# Allegro board 8880F5-0826_3.brd (continued)
## Nets (continued)
S2_DPS_F_010: SITE2.111(PLL_TX_VDD33) UNK2CA15.1 UNK2CA16.1 UNK2CC22.1 UNK2CC23.1 UNK2CD14.1 UNK2K40.9 UNK2SH16.1 UNK2TP_PLL_TX_VDD33.1
S2_DPS_F_011: SITE2.119(VDDTXPST_11_T-1) SITE2.139(VDDTXPST_11_T-2) UNK2CA35.1 UNK2CA36.1 UNK2CC17.1 UNK2CC29.1 UNK2CC37.1 UNK2CC38.1 UNK2CD12.1 UNK2CD24.1 UNK2K39.9 UNK2SH25.1 UNK2TP_VDDTXPST_11_T.1
S2_DPS_F_012: SITE2.144(VDD_TXREG_33_T) UNK2CA38.1 UNK2CA39.1 UNK2CC39.1 UNK2CC41.1 UNK2CD25.1 UNK2K42.9 UNK2SH27.1 UNK2TP_VDD_TXREG_33_T.1
S2_DPS_F_013: UNK2C8.1 UNK2C9.1 UNK2CA30.1 UNK2CA31.1 UNK2R82.2 UNK2R83.1 UNK2R84.1 UNK2R87.2 UNK2R88.2 UNK2R89.2 UNK2R90.2 UNK2R91.2 UNK2R92.2 UNK2R94.2 UNK2R95.2 UNK2R96.2 UNK2R97.2 UNK2R98.2 UNK2R99.2 UNK2R119.1 UNK2R120.1 UNK2SH22.1 UNK2TP_VCC3V3.1 UNK2U1.8 UNK2U2.8
S2_DPS_FS_001: UNK2SH20.2
S2_DPS_FS_002: UNK2SH1.2
S2_DPS_FS_003: UNK2SH3.2
S2_DPS_FS_004: UNK2SH7.2
S2_DPS_FS_005: UNK2SH10.2
S2_DPS_FS_006: UNK2SH18.2
S2_DPS_FS_007: UNK2SH12.2
S2_DPS_FS_008: UNK2SH23.2
S2_DPS_FS_009: UNK2SH14.2
S2_DPS_FS_010: UNK2SH16.2
S2_DPS_FS_011: UNK2SH25.2
S2_DPS_FS_012: UNK2SH27.2
S2_DPS_FS_013: UNK2SH22.2
S2_DPS_GS_001: UNK2SH19.2
S2_DPS_GS_002: UNK2SH2.2
S2_DPS_GS_003: UNK2SH4.2
S2_DPS_GS_004: UNK2SH8.2
S2_DPS_GS_005: UNK2SH9.2
S2_DPS_GS_006: UNK2SH17.2
S2_DPS_GS_007: UNK2SH11.2
S2_DPS_GS_008: UNK2SH24.2
S2_DPS_GS_009: UNK2SH13.2
S2_DPS_GS_010: UNK2SH15.2
S2_DPS_GS_011: UNK2SH26.2
S2_DPS_GS_012: UNK2SH28.2
S2_DPS_GS_013: UNK2SH21.2
S2_ISP00+: SITE2.73(AML0P) UNK2K43.7
S2_ISP00-: SITE2.74(AML0N) UNK2K43.2
S2_ISP14+: SITE2.112(CML0P) UNK2K43.5
S2_ISP14-: SITE2.113(CML0N) UNK2K43.4
S2_ISP_1LOCK: UNK2K33.3 UNK2R118.2
S2_M_DPS_F_001: SITE2.22(VDDC_11-1) SITE2.39(VDDC_11-2) SITE2.64(VDDC_11-3) SITE2.104(VDDC_11-4) SITE2.147(VDDC_11-5) UNK2CA5.1 UNK2CA6.1 UNK2CC6.1 UNK2CC7.1 UNK2CC8.1 UNK2CC9.1 UNK2CC36.1 UNK2CD4.1 UNK2CD5.1 UNK2CD6.1 UNK2CD7.1 UNK2CD23.1 UNK2K36.4 UNK2K36.9 UNK2SH5.1 UNK2TP_VDDC_11.1
S2_M_DPS_FS_001: UNK2SH5.2
S2_M_DPS_GS_001: UNK2SH6.2
S2_PS9G_DCH001: SITE2.18(TEST)
S2_PS9G_DCH002: S2_RST_N.1 SITE2.19(RESET_N) UNK2K10.3
S2_PS9G_DCH003: SITE2.24(HPD)
S2_PS9G_DCH004: SITE2.40(AGEN)
S2_PS9G_DCH005: SITE2.45(STV_IN)
S2_PS9G_DCH006: SITE2.46(EIO1)
S2_PS9G_DCH007: SITE2.47(EIO2)
S2_PS9G_DCH009: SITE2.49(PWMI)
S2_PS9G_DCH010: S2_I2C.1 SITE2.50(I2C_SCL) UNK2J4.2 UNK2K28.3
S2_PS9G_DCH011: S2_I2C.2 SITE2.51(I2C_SDA) UNK2J5.2 UNK2K28.6
S2_PS9G_DCH014: SITE2.54(LED_SPI_SIN_A)
S2_PS9G_DCH015: SITE2.55(LED_SPI_SCLK_A)
S2_PS9G_DCH022: SITE2.65(LED_SPI_SO_A)
S2_PS9G_DCH023: SITE2.66(LED_SPI_SO_B)
S2_PS9G_DCH027: SITE2.70(OSD_SPI_SDO)
S2_PS9G_DCH028: SITE2.77(NC_VDDTX_11_B)
S2_PS9G_DCH029: SITE2.118(NC_VDDTX_11_T)
S2_PS9G_DCH030: SITE2.148(ISP_LOCK) UNK2R118.1
S2_PS9G_DCH035: SITE2.153(CLK6)
S2_PS9G_DCH036: SITE2.154(CLK5)
S2_PS9G_DCH037: SITE2.155(CLK4)
S2_PS9G_DCH038: SITE2.156(CLK3)
S2_PS9G_DCH039: SITE2.157(CLK2)
S2_PS9G_DCH040: SITE2.158(CLK1)
S2_RLY_001: UNK2K1.8 UNK2K2.8
S2_RLY_003: UNK2K3.8 UNK2K4.8
S2_RLY_005: UNK2K5.8 UNK2K6.8
S2_RLY_007: UNK2K7.8
S2_RLY_008: UNK2K8.8 UNK2K11.8
S2_RLY_009: UNK2K9.8
S2_RLY_010: UNK2K10.8
S2_RLY_012: UNK2K12.8
S2_RLY_013: UNK2K13.8
S2_RLY_014: UNK2K14.8
S2_RLY_015: UNK2K15.8
S2_RLY_016: UNK2K16.8 UNK2K17.8
S2_RLY_018: UNK2K18.8
S2_RLY_019: UNK2K19.8
S2_RLY_020: UNK2K20.8
S2_RLY_021: UNK2K21.8 UNK2K29.8
S2_RLY_022: UNK2K22.8 UNK2K24.8
S2_RLY_023: UNK2K23.8
S2_RLY_025: UNK2K25.8 UNK2K27.8
S2_RLY_026: UNK2K26.8
S2_RLY_028: UNK2K28.8
S2_RLY_030: UNK2K30.8
S2_RLY_031: UNK2K31.12
S2_RLY_033: UNK2K33.8
S2_RLY_034: UNK2K34.12
S2_RLY_036: UNK2K36.12
S2_RLY_037: UNK2K37.12
S2_RLY_039: UNK2K39.12
S2_RLY_040: UNK2K40.12
S2_RLY_042: UNK2K42.12
S2_RLY_043: UNK2K43.8
S2_SCAN_DCH008: SITE2.48(FAIL_FLAG_O)
S2_SCAN_DCH012: SITE2.52(LED_SPI_BLANK_A)
S2_SCAN_DCH013: SITE2.53(LED_SPI_GSCLK_A)
S2_SCAN_DCH016: SITE2.56(LED_SPI_XLAT_A)
S2_SCAN_DCH017: SITE2.57(LED_SPI_BLANK_B)
S2_SCAN_DCH018: SITE2.58(LED_SPI_GSCLK_B)
S2_SCAN_DCH019: SITE2.59(LED_SPI_SIN_B)
S2_SCAN_DCH020: SITE2.60(LED_SPI_SCLK_B)
S2_SCAN_DCH021: SITE2.61(LED_SPI_XLAT_B)
S2_SCAN_DCH024: SITE2.67(OSD_SPI_SCK_I2CCLK) UNK2K13.3
S2_SCAN_DCH025: SITE2.68(OSD_SPI_SDI_I2CDAT) UNK2K13.6
S2_SCAN_DCH026: SITE2.69(OSD_SPI_CSN)
S2_SCAN_DCH031: SITE2.149(OE2)
S2_SCAN_DCH032: SITE2.150(OE1)
S2_SCAN_DCH033: SITE2.151(CLK8)
S2_SCAN_DCH034: SITE2.152(CLK7)
S2_SCAN_DCH050: UNK2K15.2
S2_SCAN_DCH051: UNK2K15.7
S2_SCAN_DCH052: UNK2K14.2
S2_SCAN_DCH053: UNK2K14.7
S2_SPI_1_CSN: UNK2K19.7 UNK2R87.1 UNK2U1.1
S2_SPI_1_SCK: UNK2K19.2 UNK2R91.1 UNK2U1.6
S2_SPI_1_SDI: UNK2K20.7 UNK2R127.1
S2_SPI_1_SDO: UNK2K20.2 UNK2R125.1
S2_SPI_2_CSN: UNK2K19.5 UNK2R94.1 UNK2U2.1
S2_SPI_2_SCK: UNK2K19.4 UNK2R98.1 UNK2U2.6
S2_SPI_2_SDI: UNK2K20.5 UNK2R128.1
S2_SPI_2_SDO: UNK2K20.4 UNK2R126.1
S2_SPI_11_SDI: UNK2R88.1 UNK2R127.2 UNK2U1.2
S2_SPI_11_SDO: UNK2R92.1 UNK2R125.2 UNK2U1.5
S2_SPI_22_SDI: UNK2R95.1 UNK2R128.2 UNK2U2.2
S2_SPI_22_SDO: UNK2R99.1 UNK2R126.2 UNK2U2.5
S2_SPI_CSN: SITE2.43(SPI_CSN) UNK2K15.6
S2_SPI_SCK: SITE2.42(SPI_SCK) UNK2K15.3
S2_SPI_SDI: SITE2.44(SPI_SDI) UNK2K14.6
S2_SPI_SDO: SITE2.41(SPI_SDO) UNK2K14.3
S2_XTAL_IN: SITE2.109(XTAL_IN) UNK2K18.3 UNK2TP_XTAL_IN.1
S2_XTAL_OUT: SITE2.110(XTAL_OUT) UNK2K18.6 UNK2TP_XTAL_OUT.1
S3_1AUX+: UNK3K9.4 UNK3R129.1
S3_1AUX-: UNK3K9.5 UNK3R130.1
S3_1SPI_CSN: UNK3K15.5 UNK3K19.6
S3_1SPI_SCK: UNK3K15.4 UNK3K19.3
S3_1SPI_SDI: UNK3K14.5 UNK3K20.6
S3_1SPI_SDO: UNK3K14.4 UNK3K20.3
S3_1TX_100DCH001+: UNK3K43.6 UNK3R7.1
S3_1TX_100DCH001-: UNK3K43.3 UNK3R8.2
S3_1TX_100DCH002+: SITE3.75(AML1P) UNK3R9.1
S3_1TX_100DCH002-: SITE3.76(AML1N) UNK3R10.2
S3_1TX_100DCH003+: SITE3.79(AML2P) UNK3R11.1
S3_1TX_100DCH003-: SITE3.80(AML2N) UNK3R12.2
S3_1TX_100DCH004+: SITE3.81(AMLCKP) UNK3R13.1
S3_1TX_100DCH004-: SITE3.82(AMLCKN) UNK3R14.2
S3_1TX_100DCH005+: SITE3.83(AML3P) UNK3R15.1
S3_1TX_100DCH005-: SITE3.84(AML3N) UNK3R16.2
S3_1TX_100DCH006+: SITE3.85(AML4P) UNK3R17.1
S3_1TX_100DCH006-: SITE3.86(AML4N) UNK3R18.2
S3_1TX_100DCH007+: SITE3.87(AML5P) UNK3R19.1
S3_1TX_100DCH007-: SITE3.88(AML5N) UNK3R20.2
S3_2AUX+: UNK3C3.1 UNK3R1.2 UNK3R3.1 UNK3R129.2
S3_2AUX-: UNK3C4.1 UNK3R2.2 UNK3R4.2 UNK3R130.2
S3_2TX_100DCH001+: SITE3.89(BML0P) UNK3R21.1
S3_2TX_100DCH001-: SITE3.90(BML0N) UNK3R22.2
S3_2TX_100DCH002+: SITE3.91(BML1P) UNK3R23.1
S3_2TX_100DCH002-: SITE3.92(BML1N) UNK3R24.2
S3_2TX_100DCH003+: SITE3.93(BML2P) UNK3R25.1
S3_2TX_100DCH003-: SITE3.94(BML2N) UNK3R26.2
S3_2TX_100DCH004+: SITE3.95(BMLCKP) UNK3R27.1
S3_2TX_100DCH004-: SITE3.96(BMLCKN) UNK3R28.2
S3_2TX_100DCH005+: SITE3.98(BML3P) UNK3R29.1
S3_2TX_100DCH005-: SITE3.99(BML3N) UNK3R30.2
S3_2TX_100DCH006+: SITE3.100(BML4P) UNK3R31.1
S3_2TX_100DCH006-: SITE3.101(BML4N) UNK3R32.2
S3_2TX_100DCH007+: SITE3.102(BML5P) UNK3R33.1
S3_2TX_100DCH007-: SITE3.103(BML5N) UNK3R34.2
S3_3TX_100DCH002+: SITE3.114(CML1P) UNK3R37.1
S3_3TX_100DCH002-: SITE3.115(CML1N) UNK3R38.2
S3_3TX_100DCH003+: SITE3.116(CML2P) UNK3R39.1
S3_3TX_100DCH003-: SITE3.117(CML2N) UNK3R40.2
S3_3TX_100DCH004+: SITE3.120(CMLCKP) UNK3R41.1
S3_3TX_100DCH004-: SITE3.121(CMLCKN) UNK3R42.2
S3_3TX_100DCH005+: SITE3.122(CML3P) UNK3R67.1
S3_3TX_100DCH005-: SITE3.123(CML3N) UNK3R68.2
S3_3TX_100DCH006+: SITE3.124(CML4P) UNK3R69.1
S3_3TX_100DCH006-: SITE3.125(CML4N) UNK3R70.2
S3_3TX_100DCH007+: SITE3.126(CML5P) UNK3R71.1
S3_3TX_100DCH007-: SITE3.127(CML5N) UNK3R72.2
S3_4TX_100DCH001+: SITE3.129(DML0P) UNK3R73.1
S3_4TX_100DCH001-: SITE3.130(DML0N) UNK3R74.2
S3_4TX_100DCH002+: SITE3.131(DML1P) UNK3R75.1
S3_4TX_100DCH002-: SITE3.132(DML1N) UNK3R76.2
S3_4TX_100DCH003+: SITE3.133(DML2P) UNK3R77.1
S3_4TX_100DCH003-: SITE3.134(DML2N) UNK3R78.2
S3_4TX_100DCH004+: SITE3.135(DMLCKP) UNK3R79.1
S3_4TX_100DCH004-: SITE3.136(DMLCKN) UNK3R80.2
S3_4TX_100DCH005+: SITE3.137(DML3P) UNK3R43.1
S3_4TX_100DCH005-: SITE3.138(DML3N) UNK3R44.2
S3_4TX_100DCH006+: SITE3.140(DML4P) UNK3R63.1
S3_4TX_100DCH006-: SITE3.141(DML4N) UNK3R64.2
S3_4TX_100DCH007+: SITE3.142(DML5P) UNK3R100.1
S3_4TX_100DCH007-: SITE3.143(DML5N) UNK3R101.2
S3_AUX_100DCH001+: UNK3K9.2
S3_AUX_100DCH001-: UNK3K9.7
S3_AUX_100DCH002+: UNK3C3.2
S3_AUX_100DCH002-: UNK3C4.2
S3_AUXCH+: SITE3.21(AUXCHP) UNK3K9.3 UNK3K12.3
S3_AUXCH-: SITE3.20(AUXCHN) UNK3K9.6 UNK3K12.6
S3_AVDD11_RX: SITE3.31(AVDD11_RX) UNK3CA9.1 UNK3CA10.1 UNK3CC13.1 UNK3CD9.1 UNK3K37.9 UNK3SH10.1 UNK3TP_AVDD11_RX.1
S3_AVDD11_XTAL: SITE3.105(AVDD11_XTAL) UNK3CA32.1 UNK3CA33.1 UNK3CC26.1 UNK3CD16.1 UNK3K31.4 UNK3SH23.1 UNK3TP_AVDD11_XTAL.1
S3_AVDD18_RX: SITE3.25(AVDD18_RX) UNK3CA7.1 UNK3CA8.1 UNK3CC11.1 UNK3CD8.1 UNK3K37.4 UNK3SH7.1 UNK3TP_AVDD18_RX.1
S3_DCH041: SITE3.159(STV2)
S3_DCH042: SITE3.160(STV1)
S3_DCH043: SITE3.161(POL)
S3_DCH044: SITE3.163(TP1)
S3_DCH045: SITE3.164(DC_EN)
S3_DCH046: SITE3.165(H2POL)
S3_DCH047: SITE3.166(SQINV)
S3_DCH048: UNK3K18.7
S3_DCH049: UNK3K18.2
S3_DPS_F_001: UNK3CA19.1 UNK3CA20.1 UNK3R1.1 UNK3R4.1 UNK3SH20.1 UNK3TP_AUXVCC.1
S3_DPS_F_002: SITE3.3(VDDA_33_LV) UNK3CA1.1 UNK3CA2.1 UNK3CC1.1 UNK3CC2.1 UNK3CD1.1 UNK3K34.4 UNK3SH1.1 UNK3TP_VDDA_33_LV.1
S3_DPS_F_003: SITE3.17(VDD_IO_33-1) SITE3.37(VDD_IO_33-2) SITE3.63(VDD_IO_33-3) SITE3.71(VDD_IO_33-4) SITE3.107(VDD_IO_33-5) SITE3.145(VDD_IO_33-6) SITE3.162(VDD_IO_33-7) UNK3CA3.1 UNK3CA4.1 UNK3CC4.1 UNK3CC30.1 UNK3CC31.1 UNK3CC32.1 UNK3CC33.1 UNK3CC34.1 UNK3CC35.1 UNK3CC42.1 UNK3CD3.1 UNK3CD17.1 UNK3CD18.1 UNK3CD19.1 UNK3CD20.1 UNK3CD21.1 UNK3CD22.1 UNK3K34.9 UNK3R85.1 UNK3SH3.1 UNK3TP_VDD_IO_33.1
S3_DPS_F_006: SITE3.72(VDD_TXREG_33_B) UNK3CA17.1 UNK3CA18.1 UNK3CC25.1 UNK3CC40.1 UNK3CD15.1 UNK3K42.4 UNK3SH18.1 UNK3TP_VDD_TXREG_33_B.1
S3_DPS_F_007: SITE3.78(VDDTXPST_11_B-1) SITE3.97(VDDTXPST_11_B-2) UNK3CA11.1 UNK3CA12.1 UNK3CC15.1 UNK3CC16.1 UNK3CC27.1 UNK3CC28.1 UNK3CD10.1 UNK3CD11.1 UNK3K39.4 UNK3SH12.1 UNK3TP_VDDTXPST_11_B.1
S3_DPS_F_009: SITE3.106(PLL_M_VDD33) UNK3CA13.1 UNK3CA14.1 UNK3CC19.1 UNK3CC20.1 UNK3CD13.1 UNK3K40.4 UNK3SH14.1 UNK3TP_PLL_M_VDD33.1
S3_DPS_F_010: SITE3.111(PLL_TX_VDD33) UNK3CA15.1 UNK3CA16.1 UNK3CC22.1 UNK3CC23.1 UNK3CD14.1 UNK3K40.9 UNK3SH16.1 UNK3TP_PLL_TX_VDD33.1
S3_DPS_F_011: SITE3.119(VDDTXPST_11_T-1) SITE3.139(VDDTXPST_11_T-2) UNK3CA35.1 UNK3CA36.1 UNK3CC17.1 UNK3CC29.1 UNK3CC37.1 UNK3CC38.1 UNK3CD12.1 UNK3CD24.1 UNK3K39.9 UNK3SH25.1 UNK3TP_VDDTXPST_11_T.1
S3_DPS_F_012: SITE3.144(VDD_TXREG_33_T) UNK3CA38.1 UNK3CA39.1 UNK3CC39.1 UNK3CC41.1 UNK3CD25.1 UNK3K42.9 UNK3SH27.1 UNK3TP_VDD_TXREG_33_T.1
S3_DPS_F_013: UNK3C8.1 UNK3C9.1 UNK3CA30.1 UNK3CA31.1 UNK3R82.2 UNK3R83.1 UNK3R84.1 UNK3R87.2 UNK3R88.2 UNK3R89.2 UNK3R90.2 UNK3R91.2 UNK3R92.2 UNK3R94.2 UNK3R95.2 UNK3R96.2 UNK3R97.2 UNK3R98.2 UNK3R99.2 UNK3R119.1 UNK3R120.1 UNK3SH22.1 UNK3TP_VCC3V3.1 UNK3U1.8 UNK3U2.8
S3_DPS_FS_001: UNK3SH20.2
S3_DPS_FS_002: UNK3SH1.2
S3_DPS_FS_003: UNK3SH3.2
S3_DPS_FS_004: UNK3SH7.2
S3_DPS_FS_005: UNK3SH10.2
S3_DPS_FS_006: UNK3SH18.2
S3_DPS_FS_007: UNK3SH12.2
S3_DPS_FS_008: UNK3SH23.2
S3_DPS_FS_009: UNK3SH14.2
S3_DPS_FS_010: UNK3SH16.2
S3_DPS_FS_011: UNK3SH25.2
S3_DPS_FS_012: UNK3SH27.2
S3_DPS_FS_013: UNK3SH22.2
S3_DPS_GS_001: UNK3SH19.2
S3_DPS_GS_002: UNK3SH2.2
S3_DPS_GS_003: UNK3SH4.2
S3_DPS_GS_004: UNK3SH8.2
S3_DPS_GS_005: UNK3SH9.2
S3_DPS_GS_006: UNK3SH17.2
S3_DPS_GS_007: UNK3SH11.2
S3_DPS_GS_008: UNK3SH24.2
S3_DPS_GS_009: UNK3SH13.2
S3_DPS_GS_010: UNK3SH15.2
S3_DPS_GS_011: UNK3SH26.2
S3_DPS_GS_012: UNK3SH28.2
S3_DPS_GS_013: UNK3SH21.2
S3_ISP00+: SITE3.73(AML0P) UNK3K43.7
S3_ISP00-: SITE3.74(AML0N) UNK3K43.2
S3_ISP14+: SITE3.112(CML0P) UNK3K43.5
S3_ISP14-: SITE3.113(CML0N) UNK3K43.4
S3_ISP_1LOCK: UNK3K33.3 UNK3R118.2
S3_M_DPS_F_001: SITE3.22(VDDC_11-1) SITE3.39(VDDC_11-2) SITE3.64(VDDC_11-3) SITE3.104(VDDC_11-4) SITE3.147(VDDC_11-5) UNK3CA5.1 UNK3CA6.1 UNK3CC6.1 UNK3CC7.1 UNK3CC8.1 UNK3CC9.1 UNK3CC36.1 UNK3CD4.1 UNK3CD5.1 UNK3CD6.1 UNK3CD7.1 UNK3CD23.1 UNK3K36.4 UNK3K36.9 UNK3SH5.1 UNK3TP_VDDC_11.1
S3_M_DPS_FS_001: UNK3SH5.2
S3_M_DPS_GS_001: UNK3SH6.2
S3_PS9G_DCH001: SITE3.18(TEST)
S3_PS9G_DCH002: S3_RST_N.1 SITE3.19(RESET_N) UNK3K10.3
S3_PS9G_DCH003: SITE3.24(HPD)
S3_PS9G_DCH004: SITE3.40(AGEN)
S3_PS9G_DCH005: SITE3.45(STV_IN)
S3_PS9G_DCH006: SITE3.46(EIO1)
S3_PS9G_DCH007: SITE3.47(EIO2)
S3_PS9G_DCH009: SITE3.49(PWMI)
S3_PS9G_DCH010: S3_I2C.1 SITE3.50(I2C_SCL) UNK3J4.2 UNK3K28.3
S3_PS9G_DCH011: S3_I2C.2 SITE3.51(I2C_SDA) UNK3J5.2 UNK3K28.6
S3_PS9G_DCH014: SITE3.54(LED_SPI_SIN_A)
S3_PS9G_DCH015: SITE3.55(LED_SPI_SCLK_A)
S3_PS9G_DCH022: SITE3.65(LED_SPI_SO_A)
S3_PS9G_DCH023: SITE3.66(LED_SPI_SO_B)
S3_PS9G_DCH027: SITE3.70(OSD_SPI_SDO)
S3_PS9G_DCH028: SITE3.77(NC_VDDTX_11_B)
S3_PS9G_DCH029: SITE3.118(NC_VDDTX_11_T)
S3_PS9G_DCH030: SITE3.148(ISP_LOCK) UNK3R118.1
S3_PS9G_DCH035: SITE3.153(CLK6)
S3_PS9G_DCH036: SITE3.154(CLK5)
S3_PS9G_DCH037: SITE3.155(CLK4)
S3_PS9G_DCH038: SITE3.156(CLK3)
S3_PS9G_DCH039: SITE3.157(CLK2)
S3_PS9G_DCH040: SITE3.158(CLK1)
S3_RLY_001: UNK3K1.8 UNK3K2.8
S3_RLY_003: UNK3K3.8 UNK3K4.8
S3_RLY_005: UNK3K5.8 UNK3K6.8
S3_RLY_007: UNK3K7.8
S3_RLY_008: UNK3K8.8 UNK3K11.8
S3_RLY_009: UNK3K9.8
S3_RLY_010: UNK3K10.8
S3_RLY_012: UNK3K12.8
S3_RLY_013: UNK3K13.8
S3_RLY_014: UNK3K14.8
S3_RLY_015: UNK3K15.8
S3_RLY_016: UNK3K16.8 UNK3K17.8
S3_RLY_018: UNK3K18.8
S3_RLY_019: UNK3K19.8
S3_RLY_020: UNK3K20.8
S3_RLY_021: UNK3K21.8 UNK3K29.8
S3_RLY_022: UNK3K22.8 UNK3K24.8
S3_RLY_023: UNK3K23.8
S3_RLY_025: UNK3K25.8 UNK3K27.8
S3_RLY_026: UNK3K26.8
S3_RLY_028: UNK3K28.8
S3_RLY_030: UNK3K30.8
S3_RLY_031: UNK3K31.12
S3_RLY_033: UNK3K33.8
S3_RLY_034: UNK3K34.12
S3_RLY_036: UNK3K36.12
S3_RLY_037: UNK3K37.12
S3_RLY_039: UNK3K39.12
S3_RLY_040: UNK3K40.12
S3_RLY_042: UNK3K42.12
S3_RLY_043: UNK3K43.8
S3_SCAN_DCH008: SITE3.48(FAIL_FLAG_O)
S3_SCAN_DCH012: SITE3.52(LED_SPI_BLANK_A)
S3_SCAN_DCH013: SITE3.53(LED_SPI_GSCLK_A)
S3_SCAN_DCH016: SITE3.56(LED_SPI_XLAT_A)
S3_SCAN_DCH017: SITE3.57(LED_SPI_BLANK_B)
S3_SCAN_DCH018: SITE3.58(LED_SPI_GSCLK_B)
S3_SCAN_DCH019: SITE3.59(LED_SPI_SIN_B)
S3_SCAN_DCH020: SITE3.60(LED_SPI_SCLK_B)
S3_SCAN_DCH021: SITE3.61(LED_SPI_XLAT_B)
S3_SCAN_DCH024: SITE3.67(OSD_SPI_SCK_I2CCLK) UNK3K13.3
S3_SCAN_DCH025: SITE3.68(OSD_SPI_SDI_I2CDAT) UNK3K13.6
S3_SCAN_DCH026: SITE3.69(OSD_SPI_CSN)
S3_SCAN_DCH031: SITE3.149(OE2)
S3_SCAN_DCH032: SITE3.150(OE1)
S3_SCAN_DCH033: SITE3.151(CLK8)
S3_SCAN_DCH034: SITE3.152(CLK7)
S3_SCAN_DCH050: UNK3K15.2
S3_SCAN_DCH051: UNK3K15.7
S3_SCAN_DCH052: UNK3K14.2
S3_SCAN_DCH053: UNK3K14.7
S3_SPI_1_CSN: UNK3K19.7 UNK3R87.1 UNK3U1.1
S3_SPI_1_SCK: UNK3K19.2 UNK3R91.1 UNK3U1.6
S3_SPI_1_SDI: UNK3K20.7 UNK3R127.1
S3_SPI_1_SDO: UNK3K20.2 UNK3R125.1
S3_SPI_2_CSN: UNK3K19.5 UNK3R94.1 UNK3U2.1
S3_SPI_2_SCK: UNK3K19.4 UNK3R98.1 UNK3U2.6
S3_SPI_2_SDI: UNK3K20.5 UNK3R128.1
S3_SPI_2_SDO: UNK3K20.4 UNK3R126.1
S3_SPI_11_SDI: UNK3R88.1 UNK3R127.2 UNK3U1.2
S3_SPI_11_SDO: UNK3R92.1 UNK3R125.2 UNK3U1.5
S3_SPI_22_SDI: UNK3R95.1 UNK3R128.2 UNK3U2.2
S3_SPI_22_SDO: UNK3R99.1 UNK3R126.2 UNK3U2.5
S3_SPI_CSN: SITE3.43(SPI_CSN) UNK3K15.6
S3_SPI_SCK: SITE3.42(SPI_SCK) UNK3K15.3
S3_SPI_SDI: SITE3.44(SPI_SDI) UNK3K14.6
S3_SPI_SDO: SITE3.41(SPI_SDO) UNK3K14.3
S3_XTAL_IN: SITE3.109(XTAL_IN) UNK3K18.3 UNK3TP_XTAL_IN.1
S3_XTAL_OUT: SITE3.110(XTAL_OUT) UNK3K18.6 UNK3TP_XTAL_OUT.1
S4_1AUX+: UNK4K9.4 UNK4R129.1
S4_1AUX-: UNK4K9.5 UNK4R130.1
S4_1SPI_CSN: UNK4K15.5 UNK4K19.6
S4_1SPI_SCK: UNK4K15.4 UNK4K19.3
S4_1SPI_SDI: UNK4K14.5 UNK4K20.6
S4_1SPI_SDO: UNK4K14.4 UNK4K20.3
S4_1TX_100DCH001+: UNK4K43.6 UNK4R7.1
S4_1TX_100DCH001-: UNK4K43.3 UNK4R8.2
S4_1TX_100DCH002+: SITE4.75(AML1P) UNK4R9.1
S4_1TX_100DCH002-: SITE4.76(AML1N) UNK4R10.2
S4_1TX_100DCH003+: SITE4.79(AML2P) UNK4R11.1
S4_1TX_100DCH003-: SITE4.80(AML2N) UNK4R12.2
S4_1TX_100DCH004+: SITE4.81(AMLCKP) UNK4R13.1
S4_1TX_100DCH004-: SITE4.82(AMLCKN) UNK4R14.2
S4_1TX_100DCH005+: SITE4.83(AML3P) UNK4R15.1
S4_1TX_100DCH005-: SITE4.84(AML3N) UNK4R16.2
S4_1TX_100DCH006+: SITE4.85(AML4P) UNK4R17.1
S4_1TX_100DCH006-: SITE4.86(AML4N) UNK4R18.2
S4_1TX_100DCH007+: SITE4.87(AML5P) UNK4R19.1
S4_1TX_100DCH007-: SITE4.88(AML5N) UNK4R20.2
S4_2AUX+: UNK4C3.1 UNK4R1.2 UNK4R3.1 UNK4R129.2
S4_2AUX-: UNK4C4.1 UNK4R2.2 UNK4R4.2 UNK4R130.2
S4_2TX_100DCH001+: SITE4.89(BML0P) UNK4R21.1
S4_2TX_100DCH001-: SITE4.90(BML0N) UNK4R22.2
S4_2TX_100DCH002+: SITE4.91(BML1P) UNK4R23.1
S4_2TX_100DCH002-: SITE4.92(BML1N) UNK4R24.2
S4_2TX_100DCH003+: SITE4.93(BML2P) UNK4R25.1
S4_2TX_100DCH003-: SITE4.94(BML2N) UNK4R26.2
S4_2TX_100DCH004+: SITE4.95(BMLCKP) UNK4R27.1
S4_2TX_100DCH004-: SITE4.96(BMLCKN) UNK4R28.2
S4_2TX_100DCH005+: SITE4.98(BML3P) UNK4R29.1
S4_2TX_100DCH005-: SITE4.99(BML3N) UNK4R30.2
S4_2TX_100DCH006+: SITE4.100(BML4P) UNK4R31.1
S4_2TX_100DCH006-: SITE4.101(BML4N) UNK4R32.2
S4_2TX_100DCH007+: SITE4.102(BML5P) UNK4R33.1
S4_2TX_100DCH007-: SITE4.103(BML5N) UNK4R34.2
S4_3TX_100DCH002+: SITE4.114(CML1P) UNK4R37.1
S4_3TX_100DCH002-: SITE4.115(CML1N) UNK4R38.2
S4_3TX_100DCH003+: SITE4.116(CML2P) UNK4R39.1
S4_3TX_100DCH003-: SITE4.117(CML2N) UNK4R40.2
S4_3TX_100DCH004+: SITE4.120(CMLCKP) UNK4R41.1
S4_3TX_100DCH004-: SITE4.121(CMLCKN) UNK4R42.2
S4_3TX_100DCH005+: SITE4.122(CML3P) UNK4R67.1
S4_3TX_100DCH005-: SITE4.123(CML3N) UNK4R68.2
S4_3TX_100DCH006+: SITE4.124(CML4P) UNK4R69.1
S4_3TX_100DCH006-: SITE4.125(CML4N) UNK4R70.2
S4_3TX_100DCH007+: SITE4.126(CML5P) UNK4R71.1
S4_3TX_100DCH007-: SITE4.127(CML5N) UNK4R72.2
S4_4TX_100DCH001+: SITE4.129(DML0P) UNK4R73.1
S4_4TX_100DCH001-: SITE4.130(DML0N) UNK4R74.2
S4_4TX_100DCH002+: SITE4.131(DML1P) UNK4R75.1
S4_4TX_100DCH002-: SITE4.132(DML1N) UNK4R76.2
S4_4TX_100DCH003+: SITE4.133(DML2P) UNK4R77.1
S4_4TX_100DCH003-: SITE4.134(DML2N) UNK4R78.2
S4_4TX_100DCH004+: SITE4.135(DMLCKP) UNK4R79.1
S4_4TX_100DCH004-: SITE4.136(DMLCKN) UNK4R80.2
S4_4TX_100DCH005+: SITE4.137(DML3P) UNK4R43.1
S4_4TX_100DCH005-: SITE4.138(DML3N) UNK4R44.2
S4_4TX_100DCH006+: SITE4.140(DML4P) UNK4R63.1
S4_4TX_100DCH006-: SITE4.141(DML4N) UNK4R64.2
S4_4TX_100DCH007+: SITE4.142(DML5P) UNK4R100.1
S4_4TX_100DCH007-: SITE4.143(DML5N) UNK4R101.2
S4_AUX_100DCH001+: UNK4K9.2
S4_AUX_100DCH001-: UNK4K9.7
S4_AUX_100DCH002+: UNK4C3.2
S4_AUX_100DCH002-: UNK4C4.2
S4_AUXCH+: SITE4.21(AUXCHP) UNK4K9.3 UNK4K12.3
S4_AUXCH-: SITE4.20(AUXCHN) UNK4K9.6 UNK4K12.6
S4_AVDD11_RX: SITE4.31(AVDD11_RX) UNK4CA9.1 UNK4CA10.1 UNK4CC13.1 UNK4CD9.1 UNK4K37.9 UNK4SH10.1 UNK4TP_AVDD11_RX.1
S4_AVDD11_XTAL: SITE4.105(AVDD11_XTAL) UNK4CA32.1 UNK4CA33.1 UNK4CC26.1 UNK4CD16.1 UNK4K31.4 UNK4SH23.1 UNK4TP_AVDD11_XTAL.1
S4_AVDD18_RX: SITE4.25(AVDD18_RX) UNK4CA7.1 UNK4CA8.1 UNK4CC11.1 UNK4CD8.1 UNK4K37.4 UNK4SH7.1 UNK4TP_AVDD18_RX.1
S4_DCH041: SITE4.159(STV2)
S4_DCH042: SITE4.160(STV1)
S4_DCH043: SITE4.161(POL)
S4_DCH044: SITE4.163(TP1)
S4_DCH045: SITE4.164(DC_EN)
S4_DCH046: SITE4.165(H2POL)
S4_DCH047: SITE4.166(SQINV)
S4_DCH048: UNK4K18.7
S4_DCH049: UNK4K18.2
S4_DPS_F_001: UNK4CA19.1 UNK4CA20.1 UNK4R1.1 UNK4R4.1 UNK4SH20.1 UNK4TP_AUXVCC.1
S4_DPS_F_002: SITE4.3(VDDA_33_LV) UNK4CA1.1 UNK4CA2.1 UNK4CC1.1 UNK4CC2.1 UNK4CD1.1 UNK4K34.4 UNK4SH1.1 UNK4TP_VDDA_33_LV.1
S4_DPS_F_003: SITE4.17(VDD_IO_33-1) SITE4.37(VDD_IO_33-2) SITE4.63(VDD_IO_33-3) SITE4.71(VDD_IO_33-4) SITE4.107(VDD_IO_33-5) SITE4.145(VDD_IO_33-6) SITE4.162(VDD_IO_33-7) UNK4CA3.1 UNK4CA4.1 UNK4CC4.1 UNK4CC30.1 UNK4CC31.1 UNK4CC32.1 UNK4CC33.1 UNK4CC34.1 UNK4CC35.1 UNK4CC42.1 UNK4CD3.1 UNK4CD17.1 UNK4CD18.1 UNK4CD19.1 UNK4CD20.1 UNK4CD21.1 UNK4CD22.1 UNK4K34.9 UNK4R85.1 UNK4SH3.1 UNK4TP_VDD_IO_33.1
S4_DPS_F_006: SITE4.72(VDD_TXREG_33_B) UNK4CA17.1 UNK4CA18.1 UNK4CC25.1 UNK4CC40.1 UNK4CD15.1 UNK4K42.4 UNK4SH18.1 UNK4TP_VDD_TXREG_33_B.1
S4_DPS_F_007: SITE4.78(VDDTXPST_11_B-1) SITE4.97(VDDTXPST_11_B-2) UNK4CA11.1 UNK4CA12.1 UNK4CC15.1 UNK4CC16.1 UNK4CC27.1 UNK4CC28.1 UNK4CD10.1 UNK4CD11.1 UNK4K39.4 UNK4SH12.1 UNK4TP_VDDTXPST_11_B.1
S4_DPS_F_009: SITE4.106(PLL_M_VDD33) UNK4CA13.1 UNK4CA14.1 UNK4CC19.1 UNK4CC20.1 UNK4CD13.1 UNK4K40.4 UNK4SH14.1 UNK4TP_PLL_M_VDD33.1
S4_DPS_F_010: SITE4.111(PLL_TX_VDD33) UNK4CA15.1 UNK4CA16.1 UNK4CC22.1 UNK4CC23.1 UNK4CD14.1 UNK4K40.9 UNK4SH16.1 UNK4TP_PLL_TX_VDD33.1
S4_DPS_F_011: SITE4.119(VDDTXPST_11_T-1) SITE4.139(VDDTXPST_11_T-2) UNK4CA35.1 UNK4CA36.1 UNK4CC17.1 UNK4CC29.1 UNK4CC37.1 UNK4CC38.1 UNK4CD12.1 UNK4CD24.1 UNK4K39.9 UNK4SH25.1 UNK4TP_VDDTXPST_11_T.1
S4_DPS_F_012: SITE4.144(VDD_TXREG_33_T) UNK4CA38.1 UNK4CA39.1 UNK4CC39.1 UNK4CC41.1 UNK4CD25.1 UNK4K42.9 UNK4SH27.1 UNK4TP_VDD_TXREG_33_T.1
S4_DPS_F_013: UNK4C8.1 UNK4C9.1 UNK4CA30.1 UNK4CA31.1 UNK4R82.2 UNK4R83.1 UNK4R84.1 UNK4R87.2 UNK4R88.2 UNK4R89.2 UNK4R90.2 UNK4R91.2 UNK4R92.2 UNK4R94.2 UNK4R95.2 UNK4R96.2 UNK4R97.2 UNK4R98.2 UNK4R99.2 UNK4R119.1 UNK4R120.1 UNK4SH22.1 UNK4TP_VCC3V3.1 UNK4U1.8 UNK4U2.8
S4_DPS_FS_001: UNK4SH20.2
S4_DPS_FS_002: UNK4SH1.2
S4_DPS_FS_003: UNK4SH3.2
S4_DPS_FS_004: UNK4SH7.2
S4_DPS_FS_005: UNK4SH10.2
S4_DPS_FS_006: UNK4SH18.2
S4_DPS_FS_007: UNK4SH12.2
S4_DPS_FS_008: UNK4SH23.2
S4_DPS_FS_009: UNK4SH14.2
S4_DPS_FS_010: UNK4SH16.2
S4_DPS_FS_011: UNK4SH25.2
S4_DPS_FS_012: UNK4SH27.2
S4_DPS_FS_013: UNK4SH22.2
S4_DPS_GS_001: UNK4SH19.2
S4_DPS_GS_002: UNK4SH2.2
S4_DPS_GS_003: UNK4SH4.2
S4_DPS_GS_004: UNK4SH8.2
S4_DPS_GS_005: UNK4SH9.2
S4_DPS_GS_006: UNK4SH17.2
S4_DPS_GS_007: UNK4SH11.2
S4_DPS_GS_008: UNK4SH24.2
S4_DPS_GS_009: UNK4SH13.2
S4_DPS_GS_010: UNK4SH15.2
S4_DPS_GS_011: UNK4SH26.2
S4_DPS_GS_012: UNK4SH28.2
S4_DPS_GS_013: UNK4SH21.2
S4_ISP00+: SITE4.73(AML0P) UNK4K43.7
S4_ISP00-: SITE4.74(AML0N) UNK4K43.2
S4_ISP14+: SITE4.112(CML0P) UNK4K43.5
S4_ISP14-: SITE4.113(CML0N) UNK4K43.4
S4_ISP_1LOCK: UNK4K33.3 UNK4R118.2
S4_M_DPS_F_001: SITE4.22(VDDC_11-1) SITE4.39(VDDC_11-2) SITE4.64(VDDC_11-3) SITE4.104(VDDC_11-4) SITE4.147(VDDC_11-5) UNK4CA5.1 UNK4CA6.1 UNK4CC6.1 UNK4CC7.1 UNK4CC8.1 UNK4CC9.1 UNK4CC36.1 UNK4CD4.1 UNK4CD5.1 UNK4CD6.1 UNK4CD7.1 UNK4CD23.1 UNK4K36.4 UNK4K36.9 UNK4SH5.1 UNK4TP_VDDC_11.1
S4_M_DPS_FS_001: UNK4SH5.2
S4_M_DPS_GS_001: UNK4SH6.2
S4_PS9G_DCH001: SITE4.18(TEST)
S4_PS9G_DCH002: S4_RST_N.1 SITE4.19(RESET_N) UNK4K10.3
S4_PS9G_DCH003: SITE4.24(HPD)
S4_PS9G_DCH004: SITE4.40(AGEN)
S4_PS9G_DCH005: SITE4.45(STV_IN)
S4_PS9G_DCH006: SITE4.46(EIO1)
S4_PS9G_DCH007: SITE4.47(EIO2)
S4_PS9G_DCH009: SITE4.49(PWMI)
S4_PS9G_DCH010: S4_I2C.1 SITE4.50(I2C_SCL) UNK4J4.2 UNK4K28.3
S4_PS9G_DCH011: S4_I2C.2 SITE4.51(I2C_SDA) UNK4J5.2 UNK4K28.6
S4_PS9G_DCH014: SITE4.54(LED_SPI_SIN_A)
S4_PS9G_DCH015: SITE4.55(LED_SPI_SCLK_A)
S4_PS9G_DCH022: SITE4.65(LED_SPI_SO_A)
S4_PS9G_DCH023: SITE4.66(LED_SPI_SO_B)
S4_PS9G_DCH027: SITE4.70(OSD_SPI_SDO)
S4_PS9G_DCH028: SITE4.77(NC_VDDTX_11_B)
S4_PS9G_DCH029: SITE4.118(NC_VDDTX_11_T)
S4_PS9G_DCH030: SITE4.148(ISP_LOCK) UNK4R118.1
S4_PS9G_DCH035: SITE4.153(CLK6)
S4_PS9G_DCH036: SITE4.154(CLK5)
S4_PS9G_DCH037: SITE4.155(CLK4)
S4_PS9G_DCH038: SITE4.156(CLK3)
S4_PS9G_DCH039: SITE4.157(CLK2)
S4_PS9G_DCH040: SITE4.158(CLK1)
S4_RLY_001: UNK4K1.8 UNK4K2.8
S4_RLY_003: UNK4K3.8 UNK4K4.8
S4_RLY_005: UNK4K5.8 UNK4K6.8
S4_RLY_007: UNK4K7.8
S4_RLY_008: UNK4K8.8 UNK4K11.8
S4_RLY_009: UNK4K9.8
S4_RLY_010: UNK4K10.8
S4_RLY_012: UNK4K12.8
S4_RLY_013: UNK4K13.8
S4_RLY_014: UNK4K14.8
S4_RLY_015: UNK4K15.8
S4_RLY_016: UNK4K16.8 UNK4K17.8
S4_RLY_018: UNK4K18.8
S4_RLY_019: UNK4K19.8
S4_RLY_020: UNK4K20.8
S4_RLY_021: UNK4K21.8 UNK4K29.8
S4_RLY_022: UNK4K22.8 UNK4K24.8
S4_RLY_023: UNK4K23.8
S4_RLY_025: UNK4K25.8 UNK4K27.8
S4_RLY_026: UNK4K26.8
S4_RLY_028: UNK4K28.8
S4_RLY_030: UNK4K30.8
S4_RLY_031: UNK4K31.12
S4_RLY_033: UNK4K33.8
S4_RLY_034: UNK4K34.12
S4_RLY_036: UNK4K36.12
S4_RLY_037: UNK4K37.12
S4_RLY_039: UNK4K39.12
S4_RLY_040: UNK4K40.12
S4_RLY_042: UNK4K42.12
S4_RLY_043: UNK4K43.8
S4_SCAN_DCH008: SITE4.48(FAIL_FLAG_O)
S4_SCAN_DCH012: SITE4.52(LED_SPI_BLANK_A)
S4_SCAN_DCH013: SITE4.53(LED_SPI_GSCLK_A)
S4_SCAN_DCH016: SITE4.56(LED_SPI_XLAT_A)
S4_SCAN_DCH017: SITE4.57(LED_SPI_BLANK_B)
S4_SCAN_DCH018: SITE4.58(LED_SPI_GSCLK_B)
S4_SCAN_DCH019: SITE4.59(LED_SPI_SIN_B)
S4_SCAN_DCH020: SITE4.60(LED_SPI_SCLK_B)
S4_SCAN_DCH021: SITE4.61(LED_SPI_XLAT_B)
S4_SCAN_DCH024: SITE4.67(OSD_SPI_SCK_I2CCLK) UNK4K13.3
S4_SCAN_DCH025: SITE4.68(OSD_SPI_SDI_I2CDAT) UNK4K13.6
S4_SCAN_DCH026: SITE4.69(OSD_SPI_CSN)
S4_SCAN_DCH031: SITE4.149(OE2)
S4_SCAN_DCH032: SITE4.150(OE1)
S4_SCAN_DCH033: SITE4.151(CLK8)
S4_SCAN_DCH034: SITE4.152(CLK7)
S4_SCAN_DCH050: UNK4K15.2
S4_SCAN_DCH051: UNK4K15.7
S4_SCAN_DCH052: UNK4K14.2
S4_SCAN_DCH053: UNK4K14.7
S4_SPI_1_CSN: UNK4K19.7 UNK4R87.1 UNK4U1.1
S4_SPI_1_SCK: UNK4K19.2 UNK4R91.1 UNK4U1.6
S4_SPI_1_SDI: UNK4K20.7 UNK4R127.1
S4_SPI_1_SDO: UNK4K20.2 UNK4R125.1
S4_SPI_2_CSN: UNK4K19.5 UNK4R94.1 UNK4U2.1
S4_SPI_2_SCK: UNK4K19.4 UNK4R98.1 UNK4U2.6
S4_SPI_2_SDI: UNK4K20.5 UNK4R128.1
S4_SPI_2_SDO: UNK4K20.4 UNK4R126.1
S4_SPI_11_SDI: UNK4R88.1 UNK4R127.2 UNK4U1.2
S4_SPI_11_SDO: UNK4R92.1 UNK4R125.2 UNK4U1.5
S4_SPI_22_SDI: UNK4R95.1 UNK4R128.2 UNK4U2.2
S4_SPI_22_SDO: UNK4R99.1 UNK4R126.2 UNK4U2.5
S4_SPI_CSN: SITE4.43(SPI_CSN) UNK4K15.6
S4_SPI_SCK: SITE4.42(SPI_SCK) UNK4K15.3
S4_SPI_SDI: SITE4.44(SPI_SDI) UNK4K14.6
S4_SPI_SDO: SITE4.41(SPI_SDO) UNK4K14.3
S4_XTAL_IN: SITE4.109(XTAL_IN) UNK4K18.3 UNK4TP_XTAL_IN.1
S4_XTAL_OUT: SITE4.110(XTAL_OUT) UNK4K18.6 UNK4TP_XTAL_OUT.1
